# Altium PCB PCB1.PcbDoc
Units mil, origin at the board's own origin, x right, y up, seen from the top; angles counter-clockwise.
Board outline 3937.01 x 2362.2 mil, 2 copper layers (Top Layer, Bottom Layer), stack 50.044 mil thick; 144 components, 67 nets, 386 pads, 293 vias.
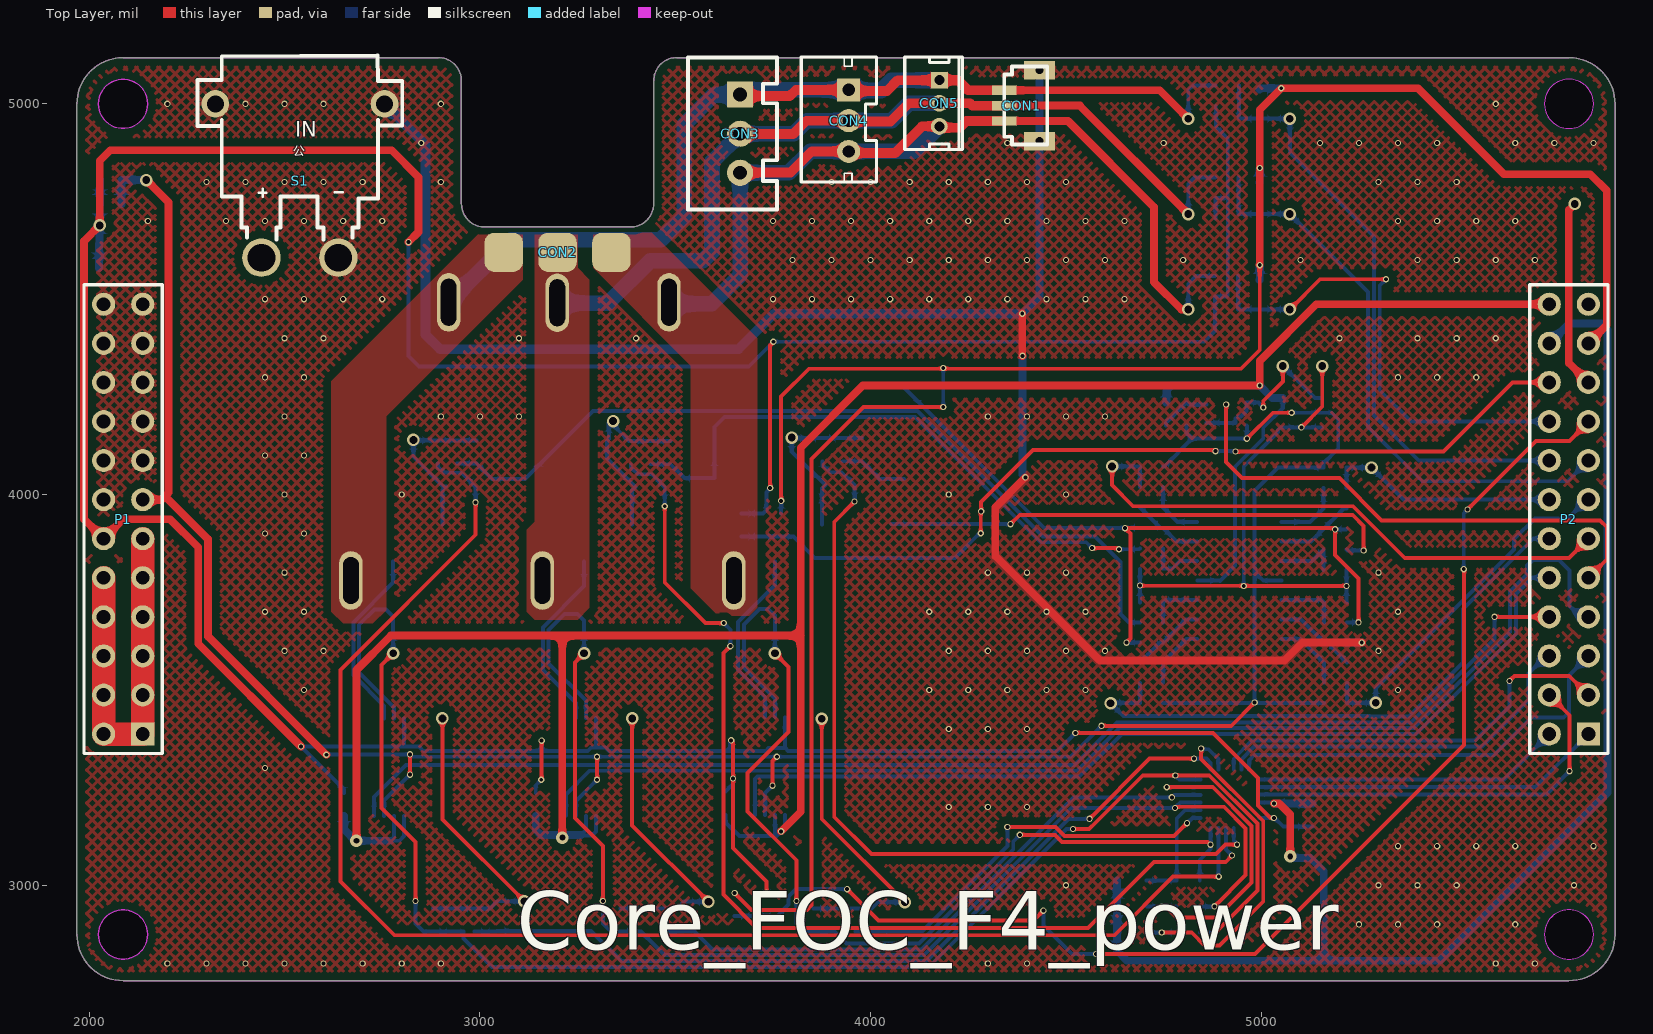
[diagram p0: Top Layer view]
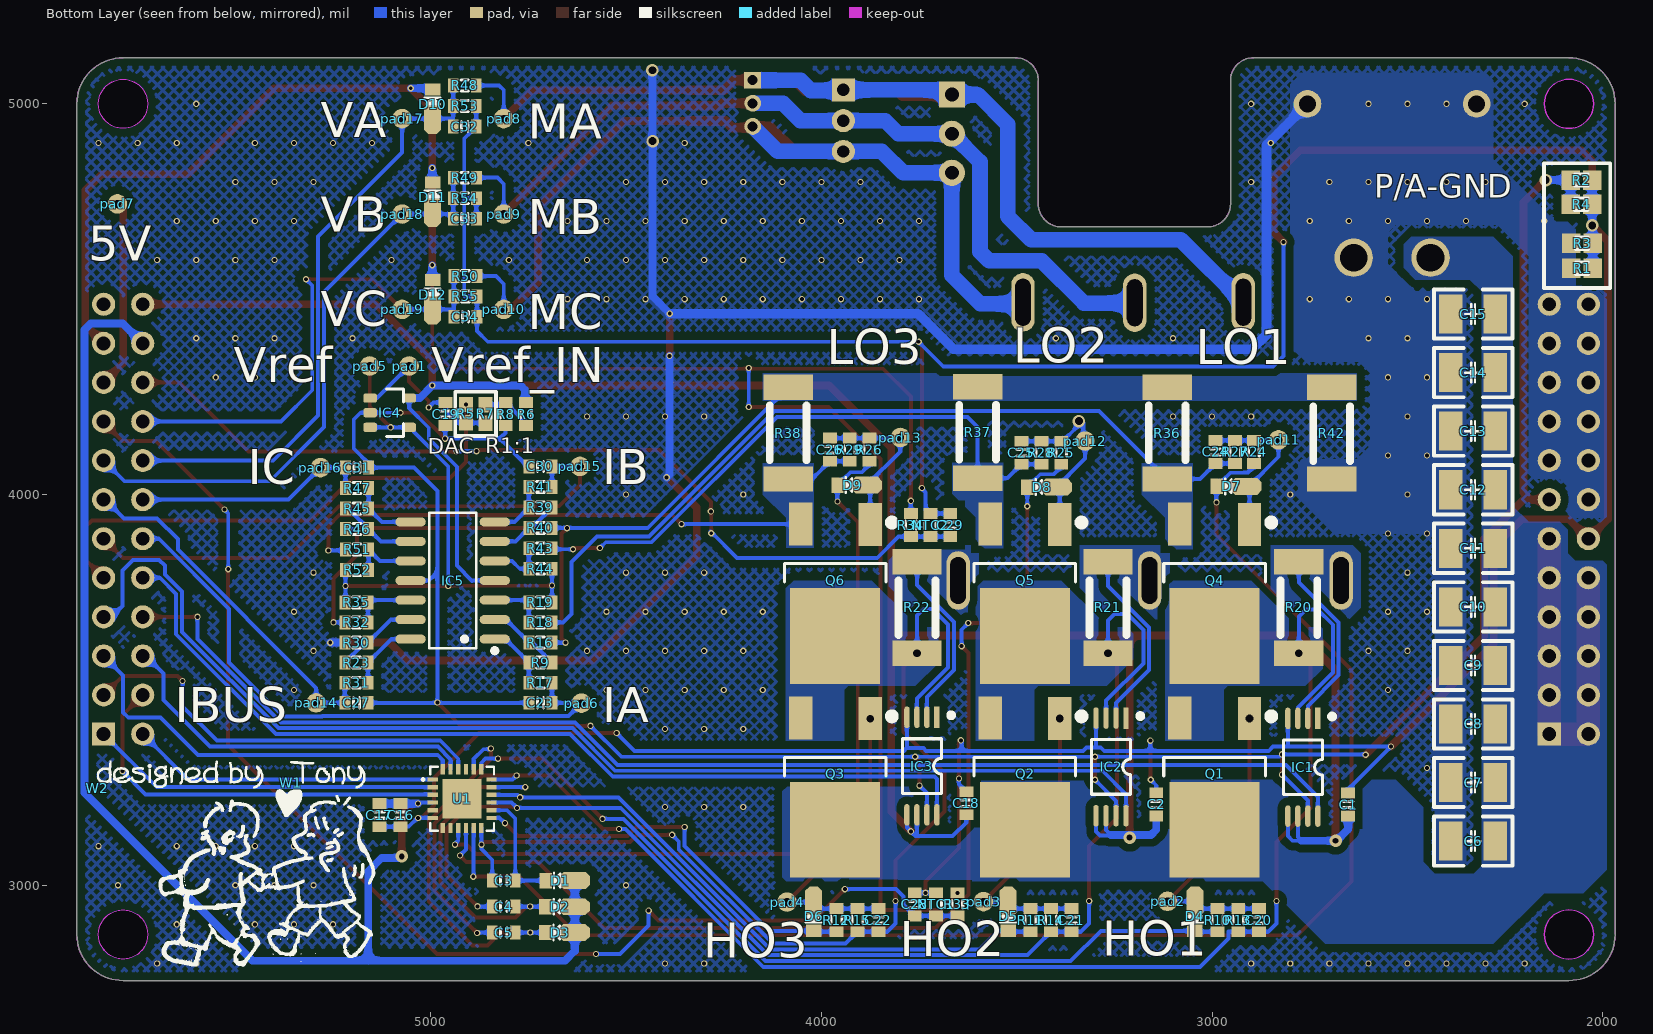
[diagram p1: Bottom Layer view, seen from below]
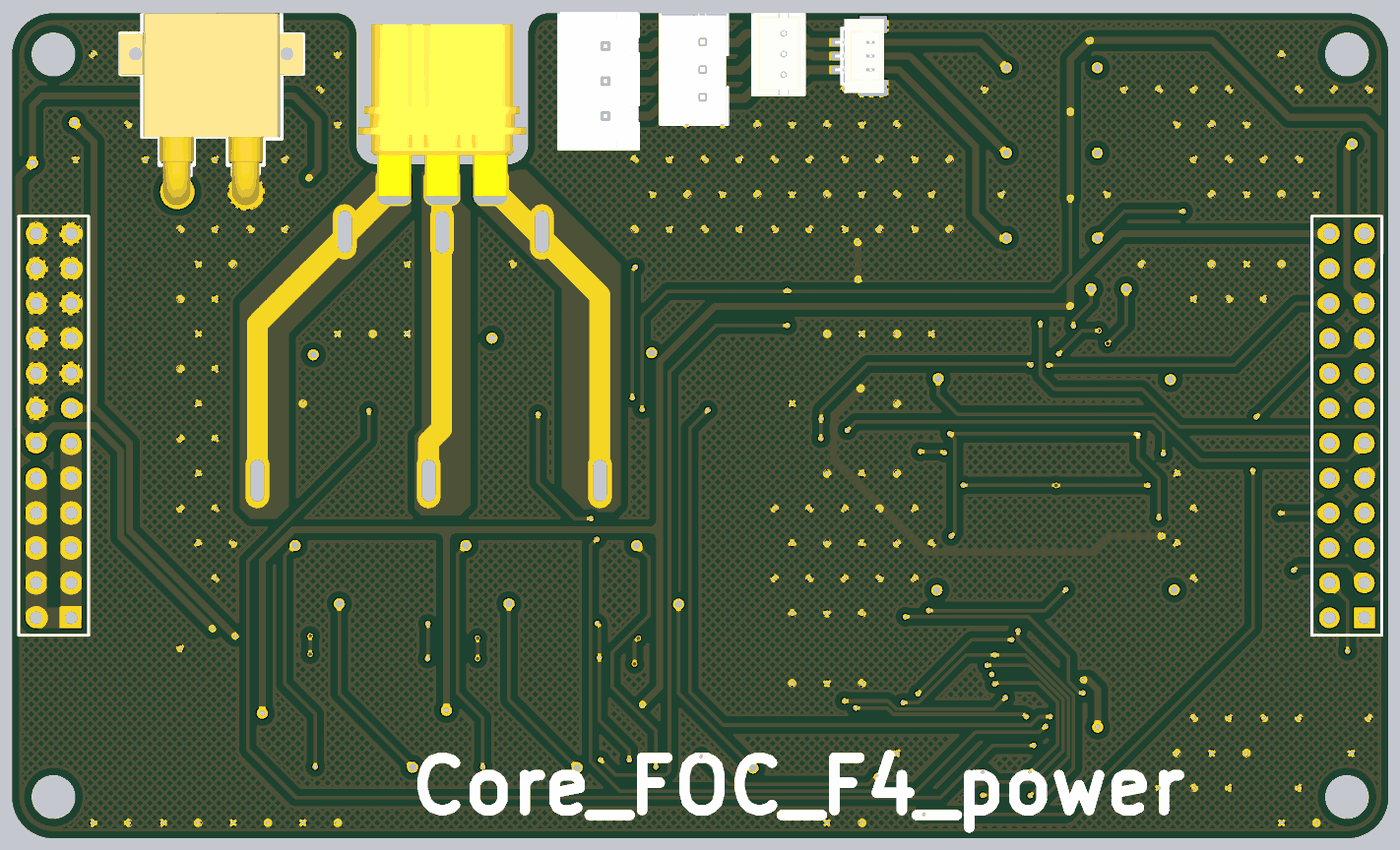
[diagram p2: 3D render of the assembled board from above, using the file's embedded part models]
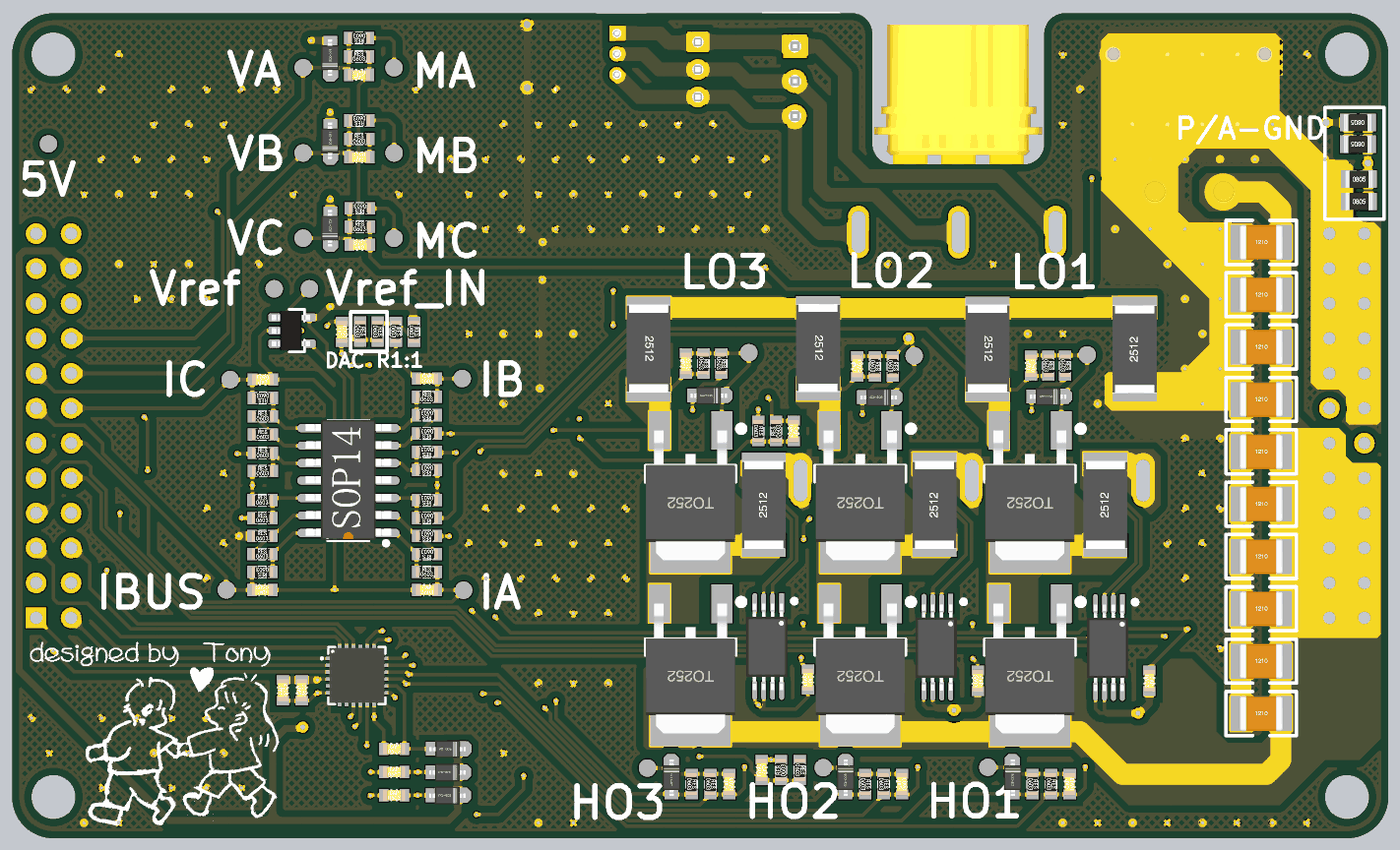
[diagram p3: 3D render of the assembled board from below, using the file's embedded part models]

## Layer stack, top to bottom
Top Solder: solder mask 0.4, Solder Resist, Dk 3.5
Top Layer: signal copper 1.4
Dielectric 1: dielectric 47.2441, FR-4, Dk 4.8
Bottom Layer: signal copper 1.4
Bottom Solder: solder mask 0.4, Solder Resist, Dk 3.5

## Board outline
2086.61,2755.91 cw(c2086.61,2874.02) 1968.5,2874.02 1968.5,5000 cw(c2086.61,5000) 2086.61,5118.11 2893.7,5118.11 cw(c2893.7,5059.06) 2952.76,5059.06 2952.76,4744.09 ccw(c3011.81,4744.09) 3011.81,4685.04 3385.83,4685.04 ccw(c3385.83,4744.09) 3444.88,4744.09 3444.88,5059.06 cw(c3503.94,5059.06) 3503.94,5118.11 5787.4,5118.11 cw(c5787.4,5000) 5905.51,5000 5905.51,2874.02 cw(c5787.4,2874.02) 5787.4,2755.91
cut-out: 2086.61,4937.01 cw(c2086.61,5000) 2023.62,5000 cw(c2086.61,5000) 2086.61,5062.99 cw(c2086.61,5000) 2149.61,5000 cw(c2086.61,5000)
cut-out: 2086.61,4937.01 cw(c2086.61,5000) 2023.62,5000 cw(c2086.61,5000) 2086.61,5062.99 cw(c2086.61,5000) 2149.61,5000 cw(c2086.61,5000)
cut-out: 5724.41,5000 ccw(c5787.4,5000) 5787.4,4937.01 ccw(c5787.4,5000) 5850.39,5000 ccw(c5787.4,5000) 5787.4,5062.99 ccw(c5787.4,5000)
cut-out: 5724.41,2874.02 ccw(c5787.4,2874.02) 5787.4,2811.02 ccw(c5787.4,2874.02) 5850.39,2874.02 ccw(c5787.4,2874.02) 5787.4,2937.01 ccw(c5787.4,2874.02)
cut-out: 2086.61,2811.02 cw(c2086.61,2874.02) 2023.62,2874.02 cw(c2086.61,2874.02) 2086.61,2937.01 cw(c2086.61,2874.02) 2149.61,2874.02 cw(c2086.61,2874.02)

## Design rules (kind name [scope] priority, off if disabled: settings)
Clearance Polygon [INPolygon] p1: gap=20 ignorepadtopadclearanceinfootprint=TRUE
Clearance [All] p2: gap=5 ignorepadtopadclearanceinfootprint=TRUE
ComponentClearance [All] p1: gap=10 collisioncheckmode=3 verticalgap=-20 showdistances=FALSE
PlaneConnect [All] p1: planeconnectstyle=Direct reliefexpansion=20 reliefentries=4 reliefconductorwidth=10 reliefairgap=10
PolygonConnect [All] p1: connectstyle=Direct reliefconductorwidth=10 reliefentries=4 polygonreliefangle="90 Angle" airgapwidth=10
RoutingVias [All] p1: holewidth=10 width=16 viastyle="Through Hole" minholewidth=10 minwidth=16 maxholewidth=28 maxwidth=50
SolderMaskExpansion [All] p1: expansion=4 istentingtop=FALSE
Width [All] p1: maxlimit=100 minlimit=4 preferedwidth=10
28 further rules are at their usual default settings.

## Components (designator, comment, footprint, x,y, rotation, side; value= is the part's Value field where it differs from the comment)
C1 "104" CAP_0603 2637,3206.53 r270 bottom
C2 "104" CAP_0603 3128,3207 r270 bottom
C3 "105" CAP_0603 4813,3027 r180 bottom
C4 "105" CAP_0603 4813,2960.5 r180 bottom
C5 "105" CAP_0603 4813,2894 r180 bottom
C6 "1210-10uF" CAP_1210_L 2332,3113 r180 bottom
C7 "1210-10uF" CAP_1210_L 2332,3262.89 r180 bottom
C8 "1210-10uF" CAP_1210_L 2332,3412.78 r180 bottom
C9 "1210-10uF" CAP_1210_L 2332,3562.67 r180 bottom
C10 "1210-10uF" CAP_1210_L 2332,3712.56 r180 bottom
C11 "1210-10uF" CAP_1210_L 2332,3862.44 r180 bottom
C12 "1210-100uF" CAP_1210_L 2332,4012.33 r180 bottom
C13 "1210-100uF" CAP_1210_L 2332,4162.22 r180 bottom
C14 "1210-100uF" CAP_1210_L 2332,4312.11 r180 bottom
C15 "1210-100uF" CAP_1210_L 2332,4462 r180 bottom
C16 "104" CAP_0603 5092,3179.47 r90 bottom
C17 "106" CAP_0603 5146,3179.47 r90 bottom
C18 "104" CAP_0603 3614,3210 r270 bottom
C19 "103" CAP_0603 4977,4206 r90 bottom
C20 "102" CAP_0603 2895,2910.76 r90 bottom
C21 "102" CAP_0603 3375,2910.76 r90 bottom
C22 "102" CAP_0603 3869,2910.76 r90 bottom
C23 "102" CAP_0603 4719,3482 r180 bottom
C24 "102" CAP_0603 3006,4109 r90 bottom
C25 "102" CAP_0603 3503,4107.06 r90 bottom
C26 "102" CAP_0603 3993,4114.87 r90 bottom
C27 "102" CAP_0603 5190,3452 r0 bottom
C28 "102" CAP_0603 3746,2951.06 r270 bottom
C29 "102" CAP_0603 3655,3922 r270 bottom
C30 "102" CAP_0603 4719,4087 r180 bottom
C31 "102" CAP_0603 5188.53,4054 r0 bottom
C32 "102" CAP_0603 4913,4927 r0 bottom
C33 "102" CAP_0603 4912.53,4691 r0 bottom
C34 "102" CAP_0603 4911,4440 r0 bottom
CON1 "SH1.0_3" "SH1.0 LS 3P" 4342,5015.06 r270 top
CON2 "MR30_M 三相电机插座" MR30-M 3198.82,4620 r180 top
CON3 "XH2.54_3_直插" XH2.54-LI-3P 3666,4923.52 r270 top
CON4 "PH2.0_3_直插" PH2.0-LI-3P 3943.87,4957 r270 top
CON5 "ZH1.5_3" ZH1.5-LI-3P 4175.89,5001.41 r270 top
D1 "ss14" SOD-323 4705.8,3012 r180 bottom
D2 "ss14" SOD-323 4706.8,2945 r180 bottom
D3 "ss14" SOD-323 4707,2879 r180 bottom
D4 "ss14" SOD-323 3043.92,2883.2 r90 bottom
D5 "ss14" SOD-323 3521.92,2883.2 r90 bottom
D6 "ss14" SOD-323 4019.92,2883.2 r90 bottom
D7 "ss14" SOD-323 2987.8,4021 r180 bottom
D8 "ss14" SOD-323 3472.8,4019 r180 bottom
D9 "ss14" SOD-323 3959,4024 r180 bottom
D10 "ss14" SOD-323 4995.08,5036.8 r270 bottom
D11 "ss14" SOD-323 4995.08,4798.8 r270 bottom
D12 "ss14" SOD-323 4995.08,4549 r270 bottom
IC1 "INA240A?" TSSOP8 2767.69,3302 r270 bottom
IC2 "INA240A?" TSSOP8 3258.69,3303 r270 bottom
IC3 "INA240A?" TSSOP8 3742.69,3305 r270 bottom
IC4 "LM321MF" SOT23-5 5105,4209.4 r180 bottom
IC5 "LM324APWR" SOP14 4836,3630 r0 bottom
NTC1 "10K" RES_0603 3721.5,2951.05 r90 bottom
NTC2 "10K" RES_0603 3735.5,3922 r90 bottom
P1 "Header 12X2" HDR2X12 2137.01,3387.01 r90 top locked
P2 "Header 12X2" HDR2X12 5837.01,3387.01 r90 top locked
pad1 "Vref_IN" PAD-1 5055,4329 r90 bottom
pad2 "HO1" PAD-1 3114,2959 r270 bottom
pad3 "HO2" PAD-1 3585,2958 r270 bottom
pad4 "HO3" PAD-1 4088,2957 r270 bottom
pad5 "Vref" PAD-1 5156,4329 r90 bottom
pad6 "IA" PAD-1 4614,3466 r90 bottom
pad7 "5V" PAD-1 5802,4744 r90 bottom
pad8 "MA" PAD-1 4813,4962 r270 bottom
pad9 "MB" PAD-1 4813,4718 r270 bottom
pad10 "MC" PAD-1 4813,4474 r270 bottom
pad11 "LO1" PAD-1 2830,4140 r0 bottom
pad12 "LO2" PAD-1 3325,4137 r0 bottom
pad13 "LO3" PAD-1 3798,4146 r0 bottom
pad14 "IBUS" PAD-1 5293,3467 r90 bottom
pad15 "IB" PAD-1 4618,4072 r90 bottom
pad16 "IC" PAD-1 5282,4069 r90 bottom
pad17 "VA" PAD-1 5073,4962 r0 bottom
pad18 "VB" PAD-1 5073,4718 r0 bottom
pad19 "VC" PAD-1 5073,4474 r0 bottom
Q1 "NCE6080K" TO252-2 2993.78,3307.35 r0 bottom
Q2 "NCE6080K" TO252-2 3479.28,3307.35 r0 bottom
Q3 "NCE6080K" TO252-2 3964.78,3307.35 r0 bottom
Q4 "NCE6080K" TO252-2 2993.78,3803.35 r0 bottom
Q5 "NCE6080K" TO252-2 3479.28,3803.35 r0 bottom
Q6 "NCE6080K" TO252-2 3964.78,3803.35 r0 bottom
R1 "0R" RES_0805-SHORT 2053.02,4579 r180 bottom
R2 "0R" RES_0805-SHORT 2054.98,4805 r0 bottom
R3 "0R" RES_0805-SHORT 2053.02,4643 r180 bottom
R4 "0R" RES_0805-SHORT 2054.98,4743 r0 bottom
R5 "DAC" RES_0603-SHORT 4895,4207 r270 bottom
R6 "10R" RES_0603 4741,4206 r270 bottom
R7 "R1:1" RES_0603-SHORT 4845,4206.38 r270 bottom
R8 "10R" RES_0603 4793,4206 r270 bottom
R9 "20K" RES_0603 4719,3554.8 r0 bottom
R10 "22R" RES_0603 2971.04,2910.76 r270 bottom
R11 "22R" RES_0603 3449.71,2910.76 r270 bottom
R12 "22R" RES_0603 3946.38,2910.76 r270 bottom
R13 "10K" RES_0603 2918.02,2910.76 r270 bottom
R14 "10K" RES_0603 3397.35,2910.76 r270 bottom
R15 "10K" RES_0603 3892.69,2910.76 r270 bottom
R16 "1K" RES_0603 4719,3606.2 r0 bottom
R17 "22R" RES_0603 4719,3533.4 r180 bottom
R18 "1K" RES_0603 4719,3657.6 r0 bottom
R19 "20K" RES_0603 4719,3709 r0 bottom
R20 "005R" RES_2512 2778,3710.14 r90 bottom
R21 "005R" RES_2512 3266.5,3710.14 r90 bottom
R22 "005R" RES_2512 3755,3710.14 r90 bottom
R23 "20K" RES_0603 5190,3584.8 r180 bottom
R24 "22R" RES_0603 2878,4109 r270 bottom
R25 "22R" RES_0603 3371,4107.06 r270 bottom
R26 "22R" RES_0603 3862,4114.87 r270 bottom
R27 "10K" RES_0603 2926.05,4109.06 r270 bottom
R28 "10K" RES_0603 3422,4107.06 r270 bottom
R29 "10K" RES_0603 3912.5,4114.87 r270 bottom
R30 "1K" RES_0603 5190,3636.2 r180 bottom
R31 "22R" RES_0603 5190,3503.4 r0 bottom
R32 "1K" RES_0603 5190,3687.6 r180 bottom
R33 "10K" RES_0603 3637,2951.06 r270 bottom
R34 "10K" RES_0603 3756,3922 r270 bottom
R35 "20K" RES_0603 5190,3739 r180 bottom
R36 "005R" RES_2512 3115,4158 r270 bottom
R37 "005R" RES_2512 3600,4160 r270 bottom
R38 "005R" RES_2512 4085,4158 r270 bottom
R39 "20K" RES_0603 4719,3952.2 r0 bottom
R40 "1K" RES_0603 4719,3899.8 r0 bottom
R41 "22R" RES_0603 4719,4034.6 r180 bottom
R42 "005R" RES_2512 2694,4156.03 r90 bottom
R43 "1K" RES_0603 4719,3847.4 r0 bottom
R44 "20K" RES_0603 4719,3795 r0 bottom
R45 "20K" RES_0603 5188.53,3979.2 r180 bottom
R46 "1K" RES_0603 5188.53,3926.8 r180 bottom
R47 "22R" RES_0603 5188.53,4001.6 r0 bottom
R48 "30K" RES_0603 4913,5032 r0 bottom
R49 "30K" RES_0603 4912.53,4796 r0 bottom
R50 "30K" RES_0603 4911,4544 r0 bottom
R51 "1K" RES_0603 5188.53,3874.4 r180 bottom
R52 "20K" RES_0603 5188.53,3822 r180 bottom
R53 "2K" RES_0603 4913,5009.5 r180 bottom
R54 "2K" RES_0603 4912.53,4773.5 r180 bottom
R55 "2K" RES_0603 4911,4522 r180 bottom
S1 "XT30PW" XT30PW-M 2637.8,4606.3 r0 top locked
U1 "FD6288Q" QFN-24_4X4 4919.64,3221.79 r270 bottom
W1 "Tony" Tony_2(200-70) 5358,3263 r180 bottom
W2 "设计于" "designed by（430-70）" 5854,3248 r180 bottom

## Footprints (in the part's own frame and the unit in brackets; to place one, negate y for a bottom-side part, rotate by r counter-clockwise, add the part's x,y. Pads: shape width x height; smd on the part's side, far side on the other; paste and mask are expansions set on the pad)
CAP_0603 [mm]
  rect 0.7x0.9 smd: 1(-0.75,-0.381) 2(0.75,-0.381)
  silkscreen extent -0.2,-0.71 0.2,-0.05, body extent -0.8,-0.78 0.8,0.02, height 0.8
CAP_1210_L [mil] "无极性贴片电容"
  rect 60x100 smd: 1(-57.09,0) 2(57.09,0)
  silkscreen extent -100,-63 100,63, body extent -63,-51 63,51, height 60
"designed by（430-70）" [mil]
  silkscreen extent 0,0 425,69
HDR2X12 [mm] "Connector; Header; 12x2 Position"
  rect 1.5x1.5 hole 0.9: 1(0,0)
  round 1.5 hole 0.9: 2(0,2.54) 3(2.54,0) 4(2.54,2.54) 5(5.08,0) 6(5.08,2.54) 7(7.62,0) 8(7.62,2.54) 9(10.16,0) 10(10.16,2.54) 11(12.7,0) 12(12.7,2.54) 13(15.24,0) 14(15.24,2.54) 15(17.78,0) 16(17.78,2.54) 17(20.32,0) 18(20.32,2.54) 19(22.86,0) 20(22.86,2.54) 21(25.4,0) 22(25.4,2.54) 23(27.94,0) 24(27.94,2.54)
  silkscreen extent -1.27,-1.27 29.21,3.81
MR30-M [mm] "三相电机线插座"
  rrect50% 2.5x2.54 smd: 1(-3.5,0) 2(0,0) 3(3.5,0)
  body extent -6.1,-11.84 6.1,0.66, height 2.6
PAD-1 [mil] "50mil单点焊盘"
  round 50 smd: 1(0,0)
PH2.0-LI-3P [mm] "长：7.9mm，宽：4.7mm，高：6mm"
  rect 1.5x1.5 hole 0.8: 1(-2,0)
  round 1.5 hole 0.8: 2(0,0) 3(2,0)
  silkscreen extent -4.13,-3.08 4,1.82, body extent -3.95,-3 3.95,1.7, height 6.01
QFN-24_4X4 [mm] "L4.0-W4.0"
  rect 0.28x0.665 smd paste-100 mask+0.05: 1(-1.245,-1.905) 2(-0.745,-1.905) 3(-0.245,-1.905) 4(0.255,-1.905) 5(0.755,-1.905) 6(1.255,-1.905) 13(1.255,1.91) 14(0.755,1.91) 15(0.255,1.91) 16(-0.245,1.91) 17(-0.745,1.91) 18(-1.245,1.91)
  rect 0.665x0.28 smd paste-100 mask+0.05: 7(1.913,-1.247) 8(1.913,-0.748) 9(1.913,-0.247) 10(1.913,0.252) 11(1.913,0.753) 12(1.913,1.252) 19(-1.902,1.252) 20(-1.902,0.753) 21(-1.902,0.252) 22(-1.902,-0.247) 23(-1.902,-0.748) 24(-1.902,-1.247)
  rect 2.55x2.55 smd paste-100 mask+0.05: 25(0.005,0.003)
  silkscreen extent -2.07,-2.61 2.08,2.08, body extent -2.02,-2.02 2.02,2.02, height 0.95
RES_0603 [mm]
  rect 0.7x0.9 smd: 1(-0.75,-0.381) 2(0.75,-0.381)
  silkscreen extent -0.25,-0.73 0.25,-0.03, body extent -0.8,-0.78 0.8,0.02, height 0.45
RES_0603-SHORT [mm]
  rect 1x0.9 smd: 1(-0.6,-0.381) 2(0.6,-0.381)
  silkscreen extent -0.25,-0.73 0.25,-0.03, body extent -0.8,-0.78 0.8,0.02, height 0.45
RES_0805-SHORT [mm]
  rect 1.2x1.27 smd: 1(-0.7,0) 2(0.7,0)
  silkscreen extent -0.43,-0.4 0.43,0.4, body extent -0.98,-0.63 1.02,0.63, height 0.37
RES_2512 [mm] "1W贴片电阻"
  rect 1.65x3.2 smd: 1(-2.95,0) 2(3,0)
  silkscreen extent -1.78,-1.2 1.78,1.2, body extent -3.2,-1.6 3.2,1.6, height 0.55
"SH1.0 LS 3P" [mm] "SH1.0 接插件 立式"
  rect 1.2x2 smd: 0(-1.8,2.3) 0(2.8,2.286)
  rect 0.6x1.6 smd: 1(-0.5,0) 2(0.5,0) 3(1.5,0)
  silkscreen extent -2.03,0 3.03,2.79, body extent -2.18,-0.51 3.17,3.09, height 4.25
SOD-323 [mm] "1.8x1.3X0.9mm（长宽高，不包括引脚）"
  oct 2x1.1 smd: 1(1.9,0)
  rect 0.8x1 smd: 2(0,0)
  silkscreen extent 0.55,-0.51 0.95,0.51, body extent -0.15,-0.67 2.5,0.63, height 1
SOP14 [mm]
  oval 1.968x0.595 smd: 1(0,0) 2(0,-1.27) 3(0,-2.54) 4(0,-3.81) 5(0,-5.08) 6(0,-6.35) 7(0,-7.62) 8(5.468,-7.62) 9(5.468,-6.35) 10(5.468,-5.08) 11(5.468,-3.81) 12(5.468,-2.54) 13(5.468,-1.27) 14(5.468,0)
  silkscreen extent -0.15,-8.21 4.26,0.9, body extent -0.39,-8.23 5.85,0.52, height 1.39
SOT23-5 [mm] "SOT23, 3-Leads, Body 3.1x3.0mm (max), Pitch 0.95mm, IPC Medium Density"
  rrect50% 0.889x0.6 smd: 1(-1.27,0.95) 2(-1.27,0) 3(-1.27,-0.95) 4(1.27,-0.95) 5(1.27,0.95)
  silkscreen extent -0.2,-1.55 0.9,1.55, body extent -1.48,-1.45 1.32,1.45, height 1.2
TO252-2 [mil] "252晶体管"
  rect 60x110 smd: 1(-89.55,-119.77) 3(88.45,-120.77)
  rect 230x245 smd: 2(0,165.35)
  silkscreen extent -153,-133 130,28, body extent -128,-120 128,251, height 91
Tony_2(200-70) [mil]
  silkscreen extent -1,-15 191,53
TSSOP8 [mm] "3*6.4*1.2mm 封装库来自公众号：智芯Player"
  rect 1.4x0.35 smd: 1(-3.175,0.975)
  oval 1.4x0.35 smd: 2(-3.175,0.325) 3(-3.175,-0.325) 4(-3.175,-0.975) 5(3.175,-0.975) 6(3.175,-0.325) 7(3.175,0.325) 8(3.175,0.975)
  silkscreen extent -3.43,-1.27 1.78,2.03, body extent -3.11,-1.59 3.17,1.41, height 1.09
XH2.54-LI-3P [mm] "接插件，3P"
  rect 1.7x1.7 hole 0.9: 1(-2.54,0)
  round 1.7 hole 0.9: 2(0,0) 3(2.54,0)
  silkscreen extent -4.95,-3.38 4.93,2.39, body extent -5.04,-3.3 5.04,2.4, height 7.03
XT30PW-M [mm] "电源输入"
  round 2.5 hole 1.8: 1(-5,0) 2(0,0)
  round 1.8 hole 1.1: 3(-8,10) 4(3,10)
  silkscreen extent -9.15,1.19 4.15,13.15, body extent -9.19,-0.97 4.11,12.98, height 5.2
ZH1.5-LI-3P [mm] "长：6.0，宽：3.65，高：4.55  淘宝ID:黄晶宝石   店铺网址:https://shop463601444.taobao.com"
  rect 1.1x1.1 hole 0.65: 1(-1.5,0)
  round 1.1 hole 0.65: 2(0,0) 3(1.5,0)
  silkscreen extent -3,-2.25 3,1.5, body extent -3,-2.15 3,1.5, height 4.6

## Part data
C1 C2 C3 C4 C5 C6 C7 C8 C9 C10 C11 C12 C13 C14 C15 C16 C17 C18 C19 C20 C21 C22 C23 C24 C25 C26 C27 C28 C29 C30 C31 C32 C33 C34: library part cap
CON1: "SH1.0 座子"
CON2: library part MR30_M, "三相电机线插座"
CON3: library part XH2.54_3_L, "XH2.54_3 直插 座子"
CON4: library part PH2.0_3_L, "PH2.0_3 直插 座子"
CON5: library part ZH1.5_3_L, "ZH1.5_3 座子"
D1 D2 D3 D4 D5 D6 D7 D8 D9 D10 D11 D12: library part Diode
IC1 IC2 IC3: library part INA240, "电流采样芯片 / A1=20 A2=50 A3=100 A4=200", BOM名称=双通道运放-电流采样芯片
IC4: "单通道运放", JLCPCB Part Class=ExtendedPart, LCSC Part Name=LM321MF/NOPB, Manufacturer=TI(德州仪器), Add into BOM=yes, Convert to PCB=yes, Datasheet=https://atta.szlcsc.com/upload/public/pdf/source/20180528/C131103_48811F2B458DDCB2A659958D3ACA9936.pdf, Device=LM321MF/NOPB, Manufacturer Part=LM321MF/NOPB, Name=LM321MF/NOPB, Number of Circuits=1, Supplier=LCSC, Supplier Footprint=SOT-23-5, Supplier Part=C131103, Symbol=LM321MF/NOPB
IC5: "四通道运放", JLCPCB Part Class="Extended Part", Manufacturer=TL084CPWR, Manufacturer Part=TI, Add into BOM=yes, Convert to PCB=yes, Device=TI, Name=LM324APWR, Origin Footprint=TSSOP-14_L5.0-W4.4-P0.65-LS6.4-BL, Supplier=LCSC, Supplier Part=C85344, Symbol=LM324APWR
NTC1 NTC2: library part NTC, "温敏电阻"
P1 P2: "Header, 12-Pin, Dual row", LatestRevisionDate=17-Jul-2002, LatestRevisionNote="Re-released for DXP Platform.", Publisher="Altium Limited"
pad1 pad2 pad3 pad4 pad5 pad6 pad7 pad8 pad9 pad10 pad11 pad12 pad13 pad14 pad15 pad16 pad17 pad18 pad19: library part PAD, "50mil单点焊盘，用于测试"
Q1 Q2 Q3 Q4 Q5 Q6: library part NMOS, "N沟道MOSFIT / -NCE6080K-TO252-2"
R1 R2 R3 R4 R5 R7: library part Res-SHORT
R6 R8 R9 R10 R11 R12 R13 R14 R15 R16 R17 R18 R19 R20 R21 R22 R23 R24 R25 R26 R27 R28 R29 R30 R31 R32 R33 R34 R35 R36 R37 R38 R39 R40 R41 R42 R43 R44 R45 R46 R47 R48 R49 R50 R51 R52 R53 R54 R55: library part Res
S1: "XT30PW-I/O"
U1: "栅极驱动IC"

## Free pads (board coordinates)
  oval 60x150 hole 120 slot 40 at 0 deg: 3(2670,3780) 3(2920,4492) 3(3160,3780) 3(3198,4491) 3(3484,4492) 3(3650,3780)

## Via types
v1: diameter 16, hole 10, Top Layer to Bottom Layer, 261 vias
v2: diameter 32, hole 20, Top Layer to Bottom Layer, 29 vias
v3: diameter 32, hole 15, Top Layer to Bottom Layer, 3 vias
